# Altium PCB PCB1.PcbDoc (part 2 of 3) (continued)
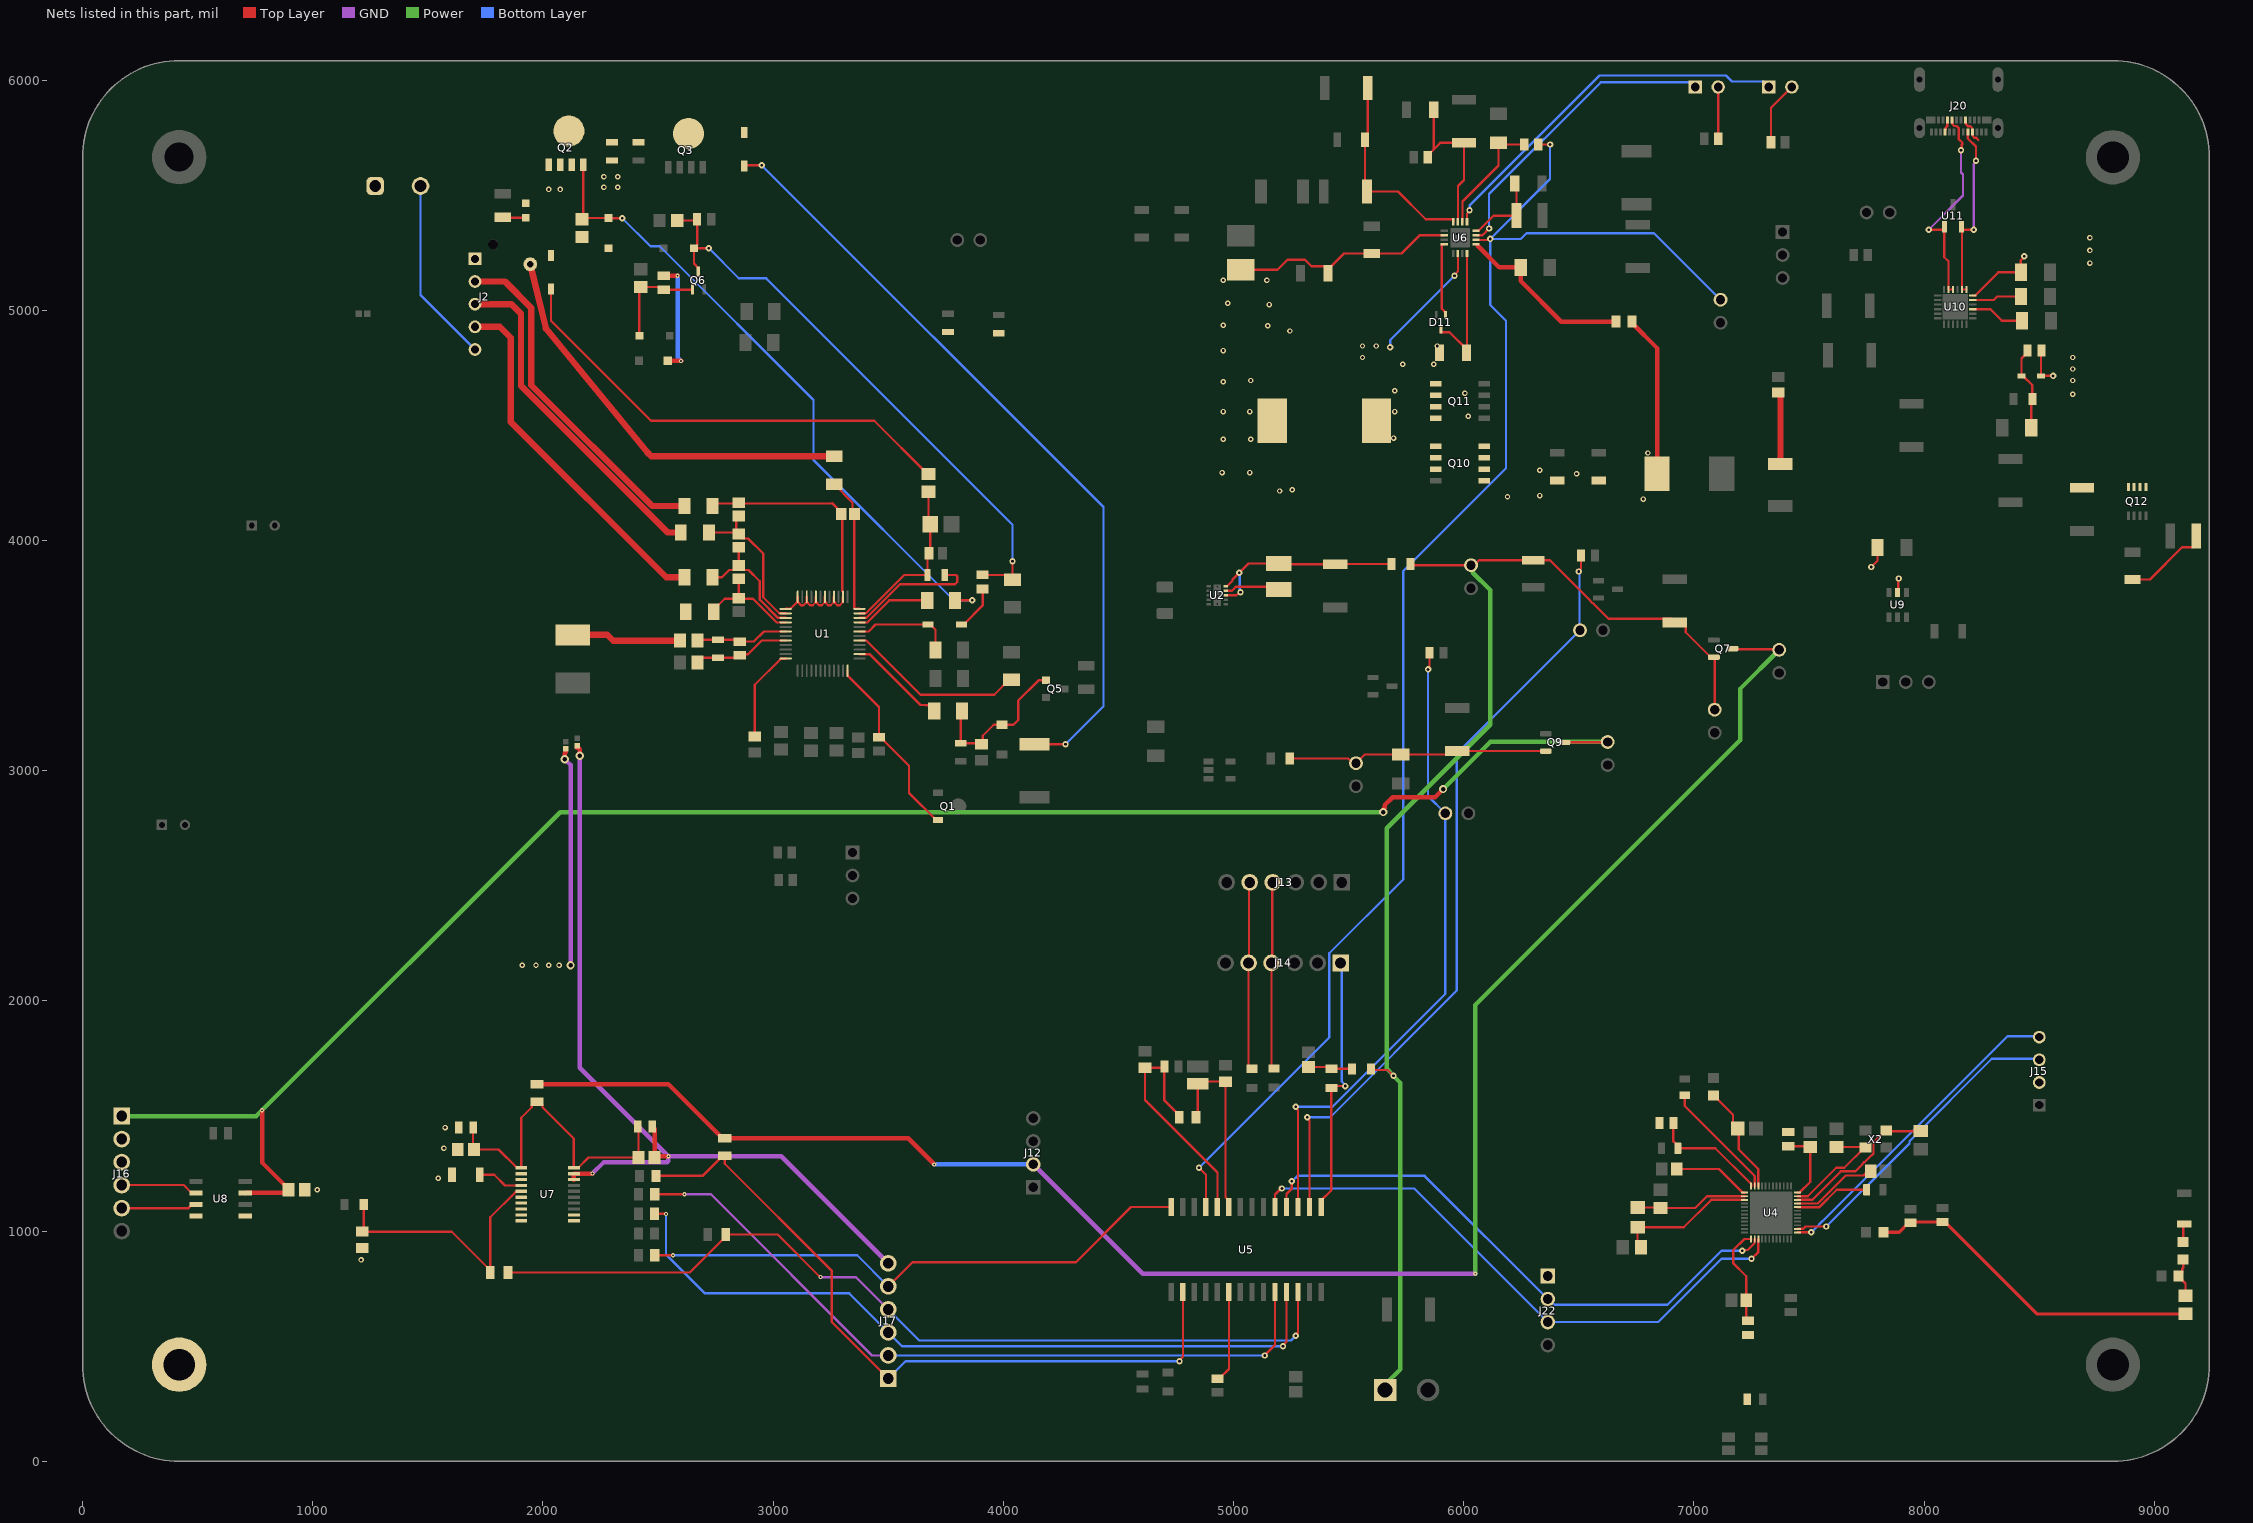
[diagram p4: the nets of this part, all layers, seen from the top]
## Part data (continued)
R63: library part CMP-00030-39744854-1, "WSL20101L000FEA18 Res Metal Strip 2010 0.001 Ohm 1% 1W ±275ppm/C Sulfur Resistant Pad SMD Automotive T/R", Case Code (Imperial)=2010, Case Code (Metric)=5025, Max Operating Temperature=170°C, Max Power Dissipation=1W, Min Operating Temperature=-65°C, Power Rating=500mW, Resistance=1mΩ, Temperature Coefficient=275ppm/°C, Tolerance=1%, Case/Package=2010, Composition="Metal Element, Metal Strip", Contact Plating=Tin, Depth=2.54mm, Features="Moisture Resistant", Height=635µm, Lead Free="Lead Free", Length=5.08mm, Mount="Surface Mount", NexarPartId=39744854, Number of Pins=2010, Number of Terminations=2, Packaging="Cut Tape", Radiation Hardening=No, REACH SVHC=Unknown, RoHS=Compliant, Schedule B="8533210045, 8533210045", Termination=SMD/SMT, Width=2.54mm
R64: library part RMCF2010FT140K, Manufacturer Name="Stackpole Electronics Inc", Supplier Part Number 1=738-RMCF2010FT140KCT-ND, Manufacturer Part Number=RMCF2010FT140K, OriginalSymbolOrigin=(-20000,10000), Part Number=RMCF2010FT140K, Part Reference=R20, PCB Footprint=RESC5025X70N, Supplier 1=DigiKey
R65 R85: library part RC1210JR-07100RL, "100 Ohms Â±5% 0.5W, 1/2W Chip Resistor 1210 (3225 Metric) Moisture Resistant Thick Film", Package="3126 Yageo", Check_prices=https://www.snapeda.com/parts/RC1210JR-07100RL/Yageo/view-part/?ref=eda, MF=Yageo, MP=RC1210JR-07100RL, SnapEDA_Link=https://www.snapeda.com/parts/RC1210JR-07100RL/Yageo/view-part/?ref=snap, Supplier 1=Avnet, Supplier Part Number 1=RC1210JR-07100RL
R68: library part CMP-1018-00781-2, "RES Thick Film, 261kΩ, 1%, 1W, 100ppm/°C, 2512", Case Code (Imperial)=2512, Case Code (Metric)=6432, Max Power Dissipation=1W, Package Quantity=2000, Resistance=261kR, Temperature Coefficient=100ppm/°C, Tolerance=1%, Voltage Rating (DC)=500V, Case/Package=2512, Composition="Thick Film", Features="Automotive AEC-Q200", Height=0.028inch, Lead Free="Lead Free", Length=0.248inch, Mount="Surface Mount", Number of Terminations=2, Packaging="Tape and Reel", Power Rating=1W, Width=0.124inch
R69: library part RC2010FK-07560KL, Manufacturer Name=Yageo, Supplier Part Number 1=13-RC2010FK-07560KLCT-ND, Manufacturer Part Number=RC2010FK-07560KL, OriginalSymbolOrigin=(-20000,10000), Part Number=RC2010FK-07560KL, Part Reference=R23, PCB Footprint=RESC5025X65N, Supplier 1=DigiKey
R72: library part CMP-03412-037656-1, "RES SMD 820 OHM 1% 1/8W 0805", Manufacturer=Yageo, Manufacturer Part Number=AC0805FR-07820RL, Package=AC0805, Power Rating=1/8W, Temperature="-55°C to +155°C", Temperature Range High=+155°C, Temperature Range Low=-55°C, Tolerance=0.01, Voltage Rating=150V, Automotive=Yes, Automotive Grade="Grade 0", Category=Res, ComponentLink2Description=Datasheet, ComponentLink2URL=http://www.yageo.com/documents/recent/PYu-AC_51_RoHS_L_6.pdf, Composition="Thick Film", Device Class L1="Passive Components", Device Class L2=Resistors, Device Class L3="Chip SMD Resistors", Digikey Description="RES SMD 820 OHM 1% 1/8W 0805", Footprint Url=http://www.yageo.com/exep/pages/download/literatures/PYu-R_Mount_10.pdf, Height=0.6mm, Ipc Land Pattern Name=RESC200125X50, Lead Free=Yes, Mouser Description="Thick Film Resistors - SMD 1/8W 820ohm 1% AEC-Q200", Octopart=https://octopart.com/ac0805fr-07820rl-yageo-26041182, Resistance=820Ω, RoHS=TRUE, Series=AC
R76 R82: library part CMP-00030-108211984-1, "RCC08050000Z0EA Res Thick Film 0805 0 Ohm Conformal Coated Pad SMD Automotive AEC-Q200 T/R", Case/Package=0805, Max Operating Temperature=155°C, Min Operating Temperature=-55°C, Power Rating=250mW, Voltage Rating=200V, Composition="Thick Film", Height=500µm, NexarPartId=108211984, Resistance=0Ω
R78 R83 R90 R91: library part RC2010FK-07100KL, Manufacturer Name=Yageo, Manufacturer Part Number=RC2010FK-07100KL, OriginalSymbolOrigin=(-20000,10000), Part Number=RC2010FK-07100KL, Part Reference=R54, PCB Footprint=RESC5025X65N, Supplier 1=Newark, Supplier Part Number 1=RC2010FK-07100KL
R80: library part CMP-04015-026884-1, "442Ω ±0.1% 0.125W, 1/8W Chip Resistor 0805 (2012 Metric) Moisture Resistant Thin Film"
R86: library part RC2010FK-071KL, Manufacturer Name=Yageo, Supplier Part Number 1=YAG3379CT-ND, Manufacturer Part Number=RC2010FK-071KL, OriginalSymbolOrigin=(-20000,10000), Part Number=RC2010FK-071KL, Part Reference=R51, PCB Footprint=RESC5025X65N, Supplier 1=DigiKey
R87: library part RC2010FK-0722KL, Package=None, Supplier Part Number 1=5022018, Availability=Unavailable, MP=RC2010FK-0722KL, Price=None, Supplier 1="Future Electronics"
RT1 RT2: library part CMP-2000-05824-2, "Thermistor NTC 10KOhm 1% 2-Pin", Max Operating Temperature=110°C, Min Operating Temperature=-50°C, Resistance=10kR, Tolerance=1%, Height=2.4mm, Lead Pitch=2.54mm, Length=17mm, Number of Pins=2, Packaging=Bulk, RoHS Compliant=Yes, Series=AT, Termination=Radial, Width=3.7mm
RT3: library part CMP-06022-000215-2, "NTC Thermistor for Temperature Sensor, Automotive, 0402, 10kΩ, 1%, 0.1mA, 5V"
S1: library part CMP-05618-000007-1, "SWITCH TACTILE SPST-NO 0.05A 12V", Contact Current Rating=50mA, Contact Resistance=500mΩ, Manufacturer=Panasonic, Operating Force=2.2N, Temperature="-20°C to +70°C", Temperature Range High=+70°C, Temperature Range Low=-20°C, Voltage Rating Dc=12V, Automotive=No, Category=Switch, ComponentLink2Description=Datasheet, ComponentLink2URL=https://industrial.panasonic.com/cdbs/www-data/pdf/ATK0000/ATK0000C378.pdf, Device Class L1=Electromechanical, Device Class L2=Switches, Device Class L3="Tactile Switches", Digikey Description="SWITCH TACTILE SPST-NO 0.05A 12V", Electromechanical Life=100000Cycles, Height=1.55mm, Lead Free=Yes, Manufacturer Part Number=EVQ-P7A01P, Mount="Surface Mount", Mouser Description="SWITCH TACTILE SPST-NO 0.05A 12V", Octopart=https://octopart.com/evq-p7a01p-panasonic-29917075, Package=EVQ-P7A01P, RoHS=TRUE, Throw Configuration=SPST-NO
S2: "Switch Slide ON OFF SPST Side Slide 4A 250VAC 125VDC PC Pins Thru-Hole Bulk", Package=None, Check_prices=https://www.snapeda.com/parts/L101011ML04Q/C%2526K/view-part/?ref=eda, MF=C&K, MP=L101011ML04Q, SnapEDA_Link=https://www.snapeda.com/parts/L101011ML04Q/C%2526K/view-part/?ref=snap
U1: library part CMP-04911-000083-1, "3-SERIES TO 10-SERIES MULTICELL"
U2: "28V, 0.5A Step-Down Converter with SNOOZE Mode 10-WSON -40 to 85", Manufacturer_Name="Texas Instruments", Copyright="Copyright (C) 2026 Ultra Librarian. All rights reserved.", Manufacturer_Part_Number=TPS62177DQCR, RefDes=RefDes, Supplier 1="Arrow Electronics", Supplier Part Number 1=TPS62177DQCR, Type=TYPE
U3: library part CMP-0136-00706-1, "150 mA, 28V LDO Regulator With Shutdown, 5-Pin SOT-23, Industrial Temperature, Tape and Reel", Code_IPC=SOT23-5, DatasheetVersion="revB, Nov-2009", PackageDescription="5-Lead Plastic Small Outline Transistor (OT) [SOT-23]", PackageReference=SOT-23-OT5, PackageVersion="revBB, Aug-2009"
U4: "Description", Manufacturer_Name="Nordic Semiconductor", Supplier Part Number 1=4823-NRF52832-QFAA-R7CT-ND, Copyright="Copyright (C) 2025 Ultra Librarian. All rights reserved.", Manufacturer_Part_Number=NRF52832-QFAA-R7, RefDes=RefDes, Supplier 1=DigiKey, Type=Type
U5: library part CMP-00252-82310923-1, "PIC32MX274F256BT-I/SO MCU 32-bit MIPS32 M4K RISC 256KB Flash 2.5V/3.3V 28-Pin SOIC W T/R", Ambient Temperature Range High=85°C, Frequency=72MHz, Max Junction Temperature (Tj)=125°C, Max Supply Voltage=3.6V, Min Operating Temperature=-40°C, Min Supply Voltage=2.5V, Data Bus Width=32b, Height=2.65mm, Interface="I2C, I2S, IrDA, LIN, Parallel, SPI, UART, USB", Lifecycle Status=Production, Max Operating Temperature=85°C, Memory Size=256kB, Memory Type=FLASH, NexarPartId=82310923, Number of A/D Converters=1, Number of ADC Channels=9, Number of I2C Channels=2, Number of I/Os=17, Number of PWM Channels=5, Number of SPI Channels=2, Number of Timers/Counters=5, Number of UART Channels=2, Number of USB Channels=1, RAM Size=64kB, RoHS=Non-Compliant, Schedule B="8542310000, 8542310000"
U6: library part BQ24600RVAR, "Standalone 1-6 cell Buck battery charge controller 16-VQFN -40 to 85", Manufacturer Name="Texas Instruments", Supplier Part Number 1=296-47740-1-ND, Copyright="Copyright (C) 2025 Ultra Librarian. All rights reserved.", Datasheet=https://www.ti.com/lit/gpn/bq24600, Manufacturer Part Number=BQ24600RVAR, Manufacturer_Name="Texas Instruments", Manufacturer_Part_Number=BQ24600RVAR, Part Number=BQ24600RVAR, Part Reference=U3, PCB Footprint=RVA16_2P14X2P14, Supplier 1=DigiKey
U7: library part MCP3562RT-EST, "Description", Manufacturer_Name=Microchip, Supplier Part Number 1=150-MCP3562RT-E/STCT-ND, Copyright="Copyright (C) 2025 Ultra Librarian. All rights reserved.", Manufacturer_Part_Number=MCP3562RT-E/ST, RefDes=RefDes, Supplier 1=DigiKey, Type=Type
U8: "Low power (350-ÂµA), precision instrumentation amp with Â±60-V overvoltage protection (gain pins 1, 8) 8-SOIC -40 to 125", Manufacturer_Name="Texas Instruments", Supplier Part Number 1=296-INA818ID-ND, Copyright="Copyright (C) 2025 Ultra Librarian. All rights reserved.", Manufacturer_Part_Number=INA818ID, RefDes=RefDes, Supplier 1=DigiKey, Type=Type
U9: "2.9V to 22V 50mA to 2A Configurable Current-Limit Switch in a TSOT23-6 Package", Manufacturer_Name="Monolithic Power Systems", Supplier Part Number 1=1589-MP5035GJ-PCT-ND, Copyright="Copyright (C) 2026 Ultra Librarian. All rights reserved.", Datasheet=https://www.monolithicpower.com/en/documentview/productdocument/index/version/2/document_type/Datasheet/lang/en/sku/MP5035GJ, Manufacturer_Part_Number=MP5035GJ-P, RefDes=RefDes, Supplier 1=DigiKey, Type=Type
U10: library part STUSB4500LQTR, "Standalone USB Type-C port controller for power sinking devices", Manufacturer Name=STMicroelectronics, Copyright="Copyright (C) 2025 Ultra Librarian. All rights reserved.", Datasheet=https://www.st.com/resource/en/datasheet/stusb4500l.pdf, Manufacturer Part Number=STUSB4500LQTR, Manufacturer_Name=STMicroelectronics, Manufacturer_Part_Number=STUSB4500LQTR, Part Number=STUSB4500LQTR, Part Reference=U9, PCB Footprint=QFN24_STUSB4500_STM, Supplier 1=Avnet, Supplier Part Number 1=STUSB4500QTR
U11: "- Clamp - Ipp Tvs Diode Surface Mount SOT-23-3", Package="SOT-23-3 STMicroelectronics", Check_prices=https://www.snapeda.com/parts/ESDA25L/STMicroelectronics/view-part/?ref=eda, MF=STMicroelectronics, MP=ESDA25L, OriginalSymbolOrigin=(-40000,30000), PCB Footprint=SOT-23-3L, SnapEDA_Link=https://www.snapeda.com/parts/ESDA25L/STMicroelectronics/view-part/?ref=snap, Supplier 1=Avnet, Supplier Part Number 1=ESDA25L
X1: library part "FC-135 32.7680KA-A3", "SMD Crystal 32.768KHz-12.5pF-20ppm-2P-3.2*1.5*0.9mm", Manufacturer_Name=Epson, Copyright="Copyright (C) 2025 Ultra Librarian. All rights reserved.", Manufacturer_Part_Number="FC-135 32.7680KA-A3", Supplier 1="Arrow Electronics", Supplier Part Number 1="FC-135 32.7680KA-A3"
X2: "No Description Available", Manufacturer_Name="ECS International", Copyright="Copyright (C) 2026 Ultra Librarian. All rights reserved.", Manufacturer_Part_Number=ECS-320-8-33B-7KM-TR, RefDes=RefDes, Supplier 1=Avnet, Supplier Part Number 1=ECS-320-8-33B-7KM-TR, Type=Type
X3: library part NX3225GD-8MHZ-STD-CRA-3, "Description", Manufacturer_Name=NDK, Copyright="Copyright (C) 2025 Ultra Librarian. All rights reserved.", Manufacturer_Part_Number=NX3225GD-8MHZ-STD-CRA-3

## Free pads (board coordinates)
  round 236.22 hole 125.98: 6(420,5665)
  round 236.22 hole 137.8: 7(8820,5664.3) 8(8820,420) 9(420,420)
  round 60 hole 30: 10(1945,5200)

## Via types
v1: diameter 23.62, hole 11.81, Top Layer to Bottom Layer, 351 vias
v2: diameter 27.56, hole 11.81, Top Layer to Bottom Layer, 91 vias
v3: diameter 18, hole 8, Top Layer to Bottom Layer, 11 vias
v4: diameter 35.43, hole 19.68, Top Layer to Bottom Layer, 7 vias

## Nets (pads, with @x,y where several pads share a name; then routed paths per layer and width w, separated by ;. In a path a pad name is that pad's centre, name@x,y a point inside that pad or via, vN(x,y) a via of type N, cw(c..) or ccw(c..) an arc to the next point about the centre after c; other vN are vias at no path point)
1N: J1.2 J2.5 R4.1 R14.1 R17.1 | length 1284.1
  Top Layer w10: R17.1@2130,3589.25 R17.1@2130.75,3590
  Top Layer w27.56: R17.1@2130.75,3590 2280,3590 2305,3565 R14.1@2595,3565
  Bottom Layer w10: J1.2@1468.43,5540.16 1468.43,5066.3 J2.5@1705,4829.72
1P: J2.4 R5.1 | length 1574.5
  Top Layer w27.56: J2.4@1705,4928.15 1811.85,4928.15 1860,4880 1860,4515 2535,3840 R5.1@2615,3840
2P: J2.3 R6.1 | length 1487.9
  Top Layer w27.56: J2.3@1705,5026.57 1863.43,5026.57 1905,4985 1905,4672.32 2542.32,4035 R6.1@2598.98,4035
3.3V: J8.1 J12.2 Q7.3 R62.2 R67.2 | length 7877.3
  Top Layer w10: Q7.3@7167.44,3530.2 7170.04,3527.6 7367.4,3527.6 J8.1@7370,3525
  Top Layer w19.68: R62.2@1975,1638.39 2545.16,1638.39 2780.16,1403.39 R67.2@2790,1403.39 3586.61,1403.39 v3(3700,1290)
  GND w19.68: J12.2@4130,1290 4605,815 v3(6049.61,815)
  Power w19.68: v3(6049.61,815) 6049.61,1982.3 7200,3132.69 7200,3355 J8.1@7370,3525
  Bottom Layer w19.68: v3(3700,1290) J12.2@4130,1290
"3.3V Control": J5.1 R20.2 U5.2 | length 3389.5
  Top Layer w10: v2(5320,1495) 5320,1490.36 5330,1480.36 U5.2@5330,1105.04 ; v2(6500,3865) 6500,3869.75 6509.45,3879.2 R20.2@6509.45,3935
  Bottom Layer w10: v2(5320,1495) 5420,1495 5970,2045 5970,3075 J5.1@6505,3610 6502.5,3612.5 6502.5,3862.5 v2(6500,3865)
"3.3V for PIC": C14.2 J4.1 J7.1 J15.2 J22.1 Q7.2 R16.2 R22.1 R40.2 R43.2 R49.1 R50.2 R51.1 S2.1 | length 5724.7
  Top Layer w10: R40.2@5597.68,1705 5602.68,1700 5670,1700 v2(5695,1675) ; R16.2@5768.07,3897.6 5773.07,3892.6 J7.1@6031.73,3892.6 6045.26,3892.6 6066.62,3913.96 6374.86,3913.96 6550.79,3738.03 6550.79,3735.97 6558.38,3728.39 6560.44,3728.39 6628.86,3659.96 6900.67,3659.96 R22.1@6916.73,3643.9 6948.23,3643.9 6964.29,3627.83 6964.29,3601.26 7072.76,3492.8 Q7.2@7086.73,3492.8 7090,3489.53 J4.1@7090,3265 ; R51.1@7231.54,270 R51.1@7231.54,278.86
  Power w10: S2.1@5657.99,310 S2.1@5657.99,333.58
  Power w19.68: S2.1@5657.99,333.58 5725,400.59 5725,1643.75 5695,1673.75 5695,1676.25 5665,1706.25 5665,2750 6115,3200 6115,3785 6039.45,3860.55 6039.45,3884.88 J7.1@6031.73,3892.6
3P: J2.2 R8.1 | length 1510.1
  Top Layer w27.56: J2.2@1705,5125 1835,5125 1950,5010 1950,4675 2475,4150 R8.1@2615,4150
4P: C15.1 D1.1 D3.2 D6.1 J1.1 J2.1 pad.10 Q2.1 Q2.2 Q2.3 R11.1 R26.2 | length 1801.2
  Top Layer w27.56: pad.10@1945,5200 2012.68,4920.75 2454.25,4382.17 2470.39,4366.02 R11.1@3265,4366.02
  other v1: 2025,5525 2075,5525 2265,5535 2325,5535 2265,5580 2325,5580
10V: C60.2 J11.1 J16.1 Q9.3 U8.7 | length 7917.6
  Top Layer w10: Q9.3@6437.09,3122.6 6438.29,3123.8 6623.8,3123.8 J11.1@6625,3125
  Top Layer w19.68: U8.7@707.25,1165 708.41,1166.16 881.16,1166.16 C60.2@895,1180 895,1182.95 780,1297.95 v3(780,1525) ; v4(5650,2820) 5653.01,2823.01 5653.01,2834.15 5656.9,2838.03 5656.9,2850.85 5691.05,2885 5875,2885 v4(5910,2920)
  Power w19.68: J16.1@170,1500 755,1500 2075,2820 v4(5650,2820) ; v4(5910,2920) 6115,3125 J11.1@6625,3125
"10V Control": J9.1 R28.1 U5.3 | length 2808.3
  Top Layer w10: v2(5270,1540) 5270,1535.36 5280,1525.36 U5.3@5280,1105.04 ; v2(5845,3440) 5845,3444.75 5851.18,3450.93 R28.1@5851.18,3512.6
  Bottom Layer w10: v2(5270,1540) 5430,1540 5920,2030 J9.1@5920,2815 5845,2890 v2(5845,3440)
"50 Ohms": C37.2 C38.2 L4.2 R53.1 | length 1487.8
  Top Layer w10: C37.2@7932.13,1035.94 C37.2@7940,1035.94 C37.2@7944.06,1040
  Top Layer w13.5: L4.2@7822.4,995 7891.18,995 C37.2@7932.13,1035.94 ; C37.2@7944.06,1040 R53.1@8080,1040 ; R53.1@8088.86,1040 8488.23,640.63 C38.2@9135,640.63
"+ Output": J16.5 U8.3 | length 329
  Top Layer w10: J16.5@170,1100 460,1100 475,1115 U8.3@492.75,1115
"- Output": J16.4 U8.2 | length 337.2
  Top Layer w10: J16.4@170,1200 440,1200 475,1165 U8.2@492.75,1165
"BLE - RX": J22.2 U4.14 U5.4 | length 2502.2
  Top Layer w10: U5.4@5230,1105.04 5230,1161.86 5253.28,1185.15 v2(5253.28,1216.72) ; v2(7210,915) 7213.36,918.36 7233.99,918.36 7263.06,947.42 7263.06,955.82 7264.04,956.8 U4.14@7264.04,965.72
  Bottom Layer w10: v2(5253.28,1216.72) 5254.49,1216.72 5277.77,1240 5830,1240 J22.2@6365,705 6370.36,705 6395.36,680 6885,680 7120,915 v2(7210,915)
"BLE - TX": J22.3 U4.15 U5.5 | length 2587.2
  Top Layer w10: U5.5@5180,1105.04 5180,1159.41 5205.59,1185 v2(5210,1185) ; v2(7250,880) 7279.79,909.79 U4.15@7279.79,965.72
  Bottom Layer w10: v2(5210,1185) 5785,1185 J22.3@6365,605 6845,605 7120,880 v2(7250,880)
CD: D2.1 Q2.5-6-7-8 Q3.5-6-7-8
"Charging Disable": J18.1 R44.1 U5.11 U6.2 | length 6560.6
  Top Layer w10: v2(4850,1275) 4880,1245 U5.11@4880,1105.04 ; U6.2@6053.4,5305.66 6105.91,5305.66 6110.25,5310 v2(6115,5310) ; R44.1@6323.91,5720.03 v2(6375,5720)
  Bottom Layer w10: v2(4850,1275) 5415.78,1840.78 5415.78,2206.61 5736.81,2527.64 5736.81,3867.66 6183.08,4313.92 6183.08,4954.95 6115,5023.03 v2(6115,5310) ; v2(6375,5720) 6375,5570 v2(6115,5310) ; J18.1@7115.6,5045.97 6826.57,5335 6272.52,5335 6247.52,5310 v2(6115,5310)
CHG: R31.1 U1.45 | length 334.1
  Top Layer w10: U1.45@3375.45,3644.21 3409.21,3644.21 3505,3740 R31.1@3669.92,3740
"DEBUG - RXD": J13.4 J14.4 R46.1 | length 814.9
  Top Layer w10: J13.4@5170,2515 5167.5,2512.5 5167.5,2167.5 J14.4@5165,2165 5165,1716.34 R46.1@5175,1706.34
"DEBUG - TXD": J13.5 J14.5 R48.1 | length 819.6
  Top Layer w10: J13.5@5070,2515 5067.5,2512.5 5067.5,2167.5 J14.5@5065,2165 5065,1717.72 5077.72,1705 R48.1@5080,1705
DSG: D9.2 R35.1 U1.43 | length 453.5
  Top Layer w10: U1.43@3375.45,3604.84 3414.84,3604.84 3445,3635 D9.2@3672.17,3635 3682.01,3635 3704.92,3612.09 R35.1@3704.92,3510
Fuse: R21.2 U1.38 | length 438.4
  Top Layer w10: U1.38@3375.45,3506.42 3418.58,3506.42 3640,3285 3664.8,3285 3665.12,3284.69 3678.22,3284.69 3699.92,3262.99 R21.2@3699.92,3249.89
GNDA: C45.2 C51.1 C58.1 C59.1 C60.1 J16.2 J16.3 NT1.1 pad.9 U7.2 U7.3 U7.6 U7.7 U7.8 U7.9 U7.10 U7.11 U7.12 U8.4 U8.5 | length 937.4
  Top Layer w19.68: v4(2095,3050) 2095,3075 2100,3080
  GND w19.68: v4(2095,3050) 2120,3025 v4(2120,2155)
  other v1: 1210,875 1020,1180 1545,1230 1570,1360 1575,1450 1910,2155 1970,2155 2025,2155 2070,2155
GNDD: C46.1 C52.2 J17.6 NT2.1 U7.18 U7.19 | length 3769.1
  Top Layer w10: U7.19@2134.25,1249.57 U7.19@2134.47,1249.78 ; v3@2214.78,1249.78 v3(2215,1250) ; C52.2@2475,1455 C52.2@2485,1445 ; C46.1@2485,1320 C46.1@2490,1325
  Top Layer w19.68: U7.18@2134.25,1223.98 U7.19@2134.25,1249.57 ; U7.19@2134.47,1249.78 v3@2214.78,1249.78 ; NT2.1@2147.44,3100 2154.14,3100 2160,3094.14 v4(2160,3065) ; C46.1@2485,1320 C52.2@2485,1445 ; C46.1@2490,1325 v3(2545,1325)
  GND w10: 2539.14,1300 2543.47,1304.33
  GND w19.68: v4(2160,3065) 2160,1710 v3(2545,1325) 3035,1325 J17.6@3500,860 ; v3(2215,1250) 2265,1300 2539.14,1300 ; 2543.47,1304.33 v3@2543.47,1323.47
LD: R38.1 U1.41 | length 784
  Top Layer w10: U1.41@3375.45,3565.47 3404.53,3565.47 3640,3330 3960.2,3330 4025.11,3394.92 R38.1@4035,3394.92
MCLR: J14.1 R42.1 U5.1 | length 1142.4
  Top Layer w10: U5.1@5380,1105.04 5380,1132.6 5425,1177.6 R42.1@5425,1622.32 5432.68,1630 v2(5485,1630)
  Bottom Layer w10: J14.1@5465,2165 5470,2160 5470,1649.75 5485,1634.75 v2(5485,1630)
"MCP3562 *CS": J17.5 R77.2 U5.14 | length 2443
  Top Layer w10: R77.2@2485.87,895 v3(2565,895) ; J17.5@3500,760 3605,865 4315,865 4555.04,1105.04 U5.14@4730,1105.04
  Bottom Layer w10: v3(2565,895) 3365,895 J17.5@3500,760
"MCP3562 *IRQ": J17.1 R67.1 R71.2 U5.16 | length 3198.4
  Top Layer w10: R71.2@2490.43,1240 2693.54,1240 2780.16,1326.61 R67.1@2790,1326.61 2790,1292.91 3253.96,828.95 3253.96,606.04 J17.1@3500,360 ; v2(4765,435) 4765,439.75 4780,454.75 U5.16@4780,734.96
  Bottom Layer w10: J17.1@3500,360 3575,435 v2(4765,435)
"MCP3562 SCK": J17.4 R76.2 R82.1 U5.26 | length 3888.7
  Top Layer w10: R82.1@1848.39,820 2638.23,820 2793.39,975.16 R76.2@2793.39,985 3020,985 v3(3205,800) ; v2(5270,545) 5270,549.75 5280,559.75 U5.26@5280,734.96
  GND w10: v3(3205,800) 3360,800 J17.4@3500,660
  Bottom Layer w10: J17.4@3500,660 3635,525 5250,525 v2(5270,545)
"MCP3562 SDI": J17.3 R74.2 U5.25 | length 3312.5
  Top Layer w10: R74.2@2485.43,1075 v3(2535,1075) ; v2(5215,500) 5215,504.75 5230,519.75 U5.25@5230,734.96
  Bottom Layer w10: v3(2535,1075) 2535,898.13 2703.59,729.54 3330.46,729.54 J17.3@3500,560 3560,500 v2(5215,500)
"MCP3562 SDO": J17.2 R73.2 U5.24 | length 3232.7
  Top Layer w10: R73.2@2485.87,1160 v3(2615,1160) ; v2(5135,460) 5180,505 U5.24@5180,734.96
  GND w10: v3(2615,1160) 2730,1160 3430,460 J17.2@3500,460
  Bottom Layer w10: J17.2@3500,460 v2(5135,460)
NetC1_1: C1.1 C2.1 C3.1 R1.2 U1.47 | length 733.4
  Top Layer w10: U1.47@3375.45,3683.58 3403.58,3683.58 3570,3850 C1.1@3670.2,3850 3670.2,3938.33 C2.1@3676.86,3945 3682.39,3950.53 C3.1@3682.39,4070 3675,4077.39 R1.2@3675,4211.61
NetC1_2: C1.2 U1.46 | length 570.8
  Top Layer w10: U1.46@3375.45,3663.9 3376.27,3664.72 3405.93,3664.72 3551.21,3810 3790,3810 3800,3820 3800,3844.14 3794.14,3850 C1.2@3745,3850
NetC4_2: C4.2 U1.24 | length 406.7
  Top Layer w10: C4.2@2920,3147.95 2920,3373.04 3033.69,3486.73 U1.24@3054.55,3486.73
NetC5_2: C5.2 C6.1 R4.2 U1.16 | length 475
  Top Layer w10: R4.2@2742.05,3690 2742.05,3699.84 2789.63,3747.42 C5.2@2850,3747.42 ; C6.1@2850,3837.58 C5.2@2850,3747.42 ; U1.16@3054.55,3644.21 3015.79,3644.21 2912.58,3747.42 C5.2@2850,3747.42
NetC6_2: C6.2 C8.1 R5.2 U1.15 | length 563.8
  Top Layer w10: R5.2@2737.05,3840 2777.64,3840 2809.31,3871.67 2831.81,3871.67 C6.2@2850,3889.86 ; C8.1@2850,3975 C6.2@2850,3889.86 ; U1.15@3054.55,3663.9 3021.1,3663.9 2941.83,3743.17 2941.83,3823.17 2893.33,3871.67 2868.19,3871.67 C6.2@2850,3889.86
NetC8_2: C8.2 C9.1 R6.2 U1.14 | length 651
  Top Layer w10: R6.2@2721.02,4035 C8.2@2842.29,4035 ; C8.2@2840,4037.29 C9.1@2840,4108.86 ; C8.2@2850,4027.29 2868.19,4009.1 2890.9,4009.1 2956.83,3943.17 2956.83,3753.17 3026.42,3683.58 U1.14@3054.55,3683.58
NetC9_2: C9.2 C10.1 R8.2 U1.2 U1.4 U1.6 U1.8 U1.10 U1.12 U1.13 | length 1497.7
  Top Layer w10: R8.2@2737.05,4150 2748.19,4161.14 2840,4160 3257.36,4161.14 3300,4118.51 3300,4115 3300,3779.9 3303.58,3776.31 U1.2@3303.58,3755.45 3302.77,3754.63 3302.77,3731.77 3289.77,3718.77 3278.02,3718.77 3269.72,3727.08 3269.72,3729.09 3264.21,3734.59 U1.4@3264.21,3755.45 3263.4,3754.63 3263.4,3731.77 3250.4,3718.77 3238.65,3718.77 3230.35,3727.08 3230.35,3729.09 3224.84,3734.59 U1.6@3224.84,3755.45 3224.03,3754.63 3224.03,3731.77 3211.03,3718.77 3199.28,3718.77 3190.97,3727.08 3190.97,3729.09 3185.47,3734.59 U1.8@3185.47,3755.45 3184.65,3754.63 3184.65,3731.77 3171.66,3718.77 3159.91,3718.77 3151.6,3727.08 3151.6,3729.09 3146.1,3734.59 U1.10@3146.1,3755.45 3145.28,3754.63 3145.28,3731.77 3132.29,3718.77 3120.54,3718.77 3112.23,3727.08 3112.23,3729.09 U1.12@3106.73,3734.59 ; U1.13@3054.55,3703.27 3075.41,3703.27 3105.91,3733.77 U1.12@3106.73,3734.59 ; U1.12@3106.73,3755.45 U1.12@3106.73,3734.59
NetC10_2: C10.2 R11.2 U1.48 | length 598.7
  Top Layer w10: R11.2@3265,4243.98 3345,4163.98 3345,4122.29 3352.29,4115 3352.29,3705.57 3354.59,3703.27 U1.48@3375.45,3703.27
NetC11_2: C11.2 Q1.1 U1.36 | length 820.5
  Top Layer w10: U1.36@3323.27,3434.55 3323.27,3413.69 3460,3276.96 C11.2@3460,3144.53 3467.87,3144.53 3590.51,3021.89 3590.51,2903.66 3708.23,2785.94 Q1.1@3716.1,2785.94
NetC12_1: C12.1 C13.1 R14.2 U1.18 | length 406.3
  Top Layer w10: R14.2@2671.77,3565 2676.14,3569.37 C13.1@2760,3569.37 2846.54,3569.37 C12.1@2855,3560.91 2915.91,3560.91 2959.84,3604.84 U1.18@3054.55,3604.84
NetC12_2: C12.2 C13.2 R15.2 U1.20 | length 422.3
  Top Layer w10: R15.2@2671.77,3470 2692.4,3490.63 2843.78,3490.63 2858.87,3505.72 2890.72,3505.72 2950.47,3565.47 U1.20@3054.55,3565.47
NetC15_2: C15.2 C16.1
NetC18_2: C18.2 C20.1
NetC19_1: C19.1 D4.1 Q5.1 R21.1 R23.2 | length 698.5
  Top Layer w10: R21.1@3820.08,3260 3815,3254.92 C19.1@3815,3119.37 3900.08,3119.37 R23.2@3905,3114.45 3910.91,3120.35 3910.91,3151.56 3958.72,3199.37 D4.1@3995,3199.37 4001.1,3199.37 4044.14,3199.37 4064.94,3220.16 4064.94,3304.94 4152.4,3392.4 Q5.1@4185.63,3392.4
NetC22_1: C22.1 J10.1 Q9.2 R30.2 R34.1 | length 1142
  Top Layer w10: R30.2@5244.41,3052.6 5498.2,3052.6 5518.2,3032.6 J10.1@5531.73,3032.6 5569.72,3070.59 C22.1@5726.73,3070.59 5957.13,3070.59 R34.1@5971.73,3085.2 Q9.2@6356.38,3085.2
NetC24_2: C24.2 R40.1 R42.2 | length 193.1
  Top Layer w10: C24.2@5325,1712.52 5417.48,1712.52 R42.2@5425,1705 R40.1@5515,1705
NetC25_2: C25.2 L3.2 U4.46 | length 476.3
  Top Layer w10: L3.2@7085,1590 7086.97,1590 7103.62,1573.35 7103.62,1571.38 7169.61,1505.39 7169.61,1469.53 7194.13,1445 7194.13,1354.8 7279.79,1269.15 U4.46@7279.79,1195.54
NetC26_2: C26.2 R43.1 U4.48 | length 509.7
  Top Layer w10: R43.1@6910.51,1470 6910.51,1390.16 6930.04,1370.63 C26.2@6930.04,1360 7092.75,1360 7248.29,1204.46 U4.48@7248.29,1195.54
NetC27_2: C27.2 U4.2 X1.1 | length 487.1
  Top Layer w10: X1.1@6755,1103 6852.63,1103 C27.2@6855,1100.63 7005.63,1100.63 7056.5,1151.5 U4.2@7220,1151.5
NetC28_2: C28.2 U4.3 X1.2 | length 607.1
  Top Layer w10: C28.2@6769.37,930 6755,944.37 X1.2@6755,1017 6955.89,1017 7074.63,1135.75 U4.3@7220,1135.75
NetC29_1: C29.1 U5.20 | length 400.8
  Top Layer w10: C29.1@4930,359.53 4937.87,359.53 4980,401.65 U5.20@4980,734.96
NetC30_2: C30.2 U4.1 | length 337.6
  Top Layer w10: C30.2@6924.96,1270 7108.32,1270 7211.08,1167.24 U4.1@7220,1167.24
NetC31_2: C31.2 R49.2 U4.13 | length 431.6
  Top Layer w10: R49.2@7235,610.51 7227.48,618.03 C31.2@7227.48,700 7227.48,803.99 7170,861.47 7170,916.57 7219.16,965.72 U4.13@7248.29,965.72
NetC32_2: C32.2 U4.33 | length 369.5
  Top Layer w10: U4.33@7449.81,1120 7537.59,1120 7659.05,1241.46 7736.93,1241.46 7757.52,1262.05 C32.2@7757.52,1265
NetC33_2: C33.2 R50.1 U4.36 | length 322.5
  Top Layer w10: R50.1@7410,1368.98 7501.02,1368.98 C33.2@7505,1365 7505,1213.51 7458.73,1167.24 U4.36@7449.81,1167.24
NetC34_2: C34.2 U4.32 | length 331.5
  Top Layer w10: U4.32@7449.81,1104.25 7544.66,1104.25 7620.41,1180 C34.2@7749.96,1180
NetC35_2: C35.2 U4.34 X2.1 | length 691.5
  Top Layer w10: U4.34@7449.81,1135.75 7513.87,1135.75 7638.13,1260 7701.21,1260 7731.93,1290.72 7731.93,1292.69 7737.79,1298.54 7739.75,1298.54 7772.31,1331.1 7774.37,1331.1 7780.22,1336.96 7780.22,1386.35 7831.28,1437.4 7834.31,1434.37 C35.2@7985,1434.37
NetC36_2: C36.2 U4.35 X2.3 | length 508.3
  Top Layer w10: U4.35@7449.81,1151.5 7494.18,1151.5 7617.68,1275 7653.13,1275 7740.72,1362.6 X2.3@7744.72,1362.6 7741.69,1365.63 C36.2@7620,1365.63
NetC38_1: C38.1 L5.1 L7.1 | length 177.1
  Top Layer w10: L5.1@9104.8,803.03 9135,772.83 C38.1@9135,719.37 ; L5.1@9104.8,805 9121.46,821.65 9121.46,837.4 9125,840.94 L7.1@9125,877.6
NetC39_2: C39.2 R55.2 U5.9 X3.2 | length 823.2
  Top Layer w10: R55.2@4836.48,1495 4845,1503.52 X3.2@4845,1640 4854.57,1649.57 C39.2@4965,1649.57 4965,1147.6 4980,1132.6 U5.9@4980,1105.04
NetC40_2: C40.2 R55.1 R57.2 U5.10 | length 1068.5
  Top Layer w10: R55.1@4763.52,1495 4763.52,1503.85 4699.49,1567.88 R57.2@4699.49,1715 4694.49,1710 C40.2@4615,1710 4615,1570 4930,1255 U5.10@4930,1105.04
NetC41_2: C41.2 C42.2 D10.1 Q10.5 Q10.6 Q10.7 Q10.8 R59.1 | length 707
  Top Layer w10: C41.2@6404.71,4260.03 C41.2@6405.6,4260.93 ; R59.1@6731.47,4944.08 R59.1@6731.47,4950.97
  Top Layer w19.68: R59.1@6731.47,4944.08 6839.51,4836.04 D10.1@6839.51,4290
  other v1: 6780,4180 6190,4190 6330,4195 6490,4290 6330,4305 6800,4380
NetC43_2: C43.2 R58.1 | length 314.7
  Top Layer w10: C43.2@7365.6,4641.99 C43.2@7375.6,4631.99
  Top Layer w27.56: R58.1@7375.6,4331.47 C43.2@7375.6,4631.99
NetC44_1: C44.1 D11.3 U6.16 | length 585.2
  Top Layer w10: D11.3@5900.6,4915.97 5900.6,4905.97 5901.6,4904.97 5938.27,4904.97 C44.1@6014.03,4829.2 ; C44.1@6014.03,4816.62 U6.16@6014.03,5246.6
NetC44_2: C44.2 L6.1 Q10.1 Q10.2 Q10.3 Q11.5 Q11.6 Q11.7 Q11.8 U6.14 | length 528.7
  Top Layer w10: v2(5960,5150) 5960,5154.75 5974.65,5169.41 U6.14@5974.65,5246.6
  Bottom Layer w10: v2(5680,4840) 5680,4870 v2(5960,5150)
  other v1: 5695,4445 6020,4540 5700,4560 6005,4640 5700,4650 5735,4765 5870,4765 5560,4795 5560,4845 5620,4845 5885,4845
NetC45_1: C45.1 C46.2 C51.2 C52.1 R62.1 U7.1 U7.20 | length 1449.9
  Top Layer w10: C51.2@1696.5,1450 1696.5,1358.5 C45.1@1700,1355 1807.16,1355 1887,1275.16 U7.1@1905.75,1275.16 1905.75,1492.36 1951.46,1538.07 1951.46,1547.91 1965.16,1561.61 R62.1@1975,1561.61 1984.84,1561.61 1998.54,1547.91 1998.54,1538.07 2134.25,1402.36 U7.20@2134.25,1275.16 2153,1275.16 2197.84,1320 C46.2@2415,1320 2415,1452.01 C52.1@2412.01,1455
NetC49_2: C49.2 R59.2 U6.1 | length 771.2
  Top Layer w19.68: 6060,5280 6154.03,5185.97 C49.2@6247.61,5185.97 6247.61,5127.39 6424.04,4950.97 R59.2@6660.6,4950.97
NetC50_1: C50.1 C54.1 L6.2 R63.1 U6.10 | length 1012.1
  Top Layer w10: C54.1@5409.66,5160.97 C54.1@5409.66,5176.71 ; U6.10@5915.6,5325.34 5807.42,5325.34 5728.98,5246.91 C50.1@5600.6,5246.91 5479.85,5246.91 C54.1@5409.66,5176.71 ; R63.1@5044.19,5175.97 5190.77,5175.97 5234.81,5220 5309.82,5220 5338.42,5191.4 5394.97,5191.4 C54.1@5409.66,5176.71 ; R63.1@5044.19,5175.97 R63.1@5030.6,5175.97 R63.1@5044.19,5175.97
  other v1: 5200,4215 5255,4220 4950,4295 5070,4295 4955,4440 5075,4440 4955,4560 5070,4560 4955,4690 5075,4695 4955,4825 5245,4910 5148.52,4932.28 4955,4935 5155,5025 4975,5030 4955,5130 5145,5130
NetC53_2: C53.2 R44.2 U6.6 | length 523.9
  Top Layer w10: U6.6@5994.35,5384.4 5994.35,5472.39 6150.6,5628.64 C53.2@6150.6,5727.97 6158.54,5720.03 R44.2@6262.89,5720.03
NetC55_1: C55.1 R47.2 R61.1 U6.7 | length 713
  Top Layer w10: R47.2@5843.91,5665.03 5843.91,5672.91 5869.66,5698.66 ; C55.1@5869.66,5870.97 5869.66,5698.66 ; U6.7@5974.65,5384.4 5974.65,5539.94 6000.6,5565.89 R61.1@6000.6,5727.26 5898.26,5727.26 5869.66,5698.66
NetC56_1: C56.1 R69.1 R78.2 U6.8 | length 894.9
  Top Layer w10: R78.2@5583,5965.97 5583,5768.09 5570.64,5755.73 C56.1@5570.64,5740.97 5570.64,5524.63 R69.1@5579.3,5515.97 5714.5,5515.97 5835.32,5395.15 5954.45,5395.15 5954.97,5394.63 U6.8@5954.97,5384.4
NetC57_1: C57.1 R65.2 U6.4 | length 346.4
  Top Layer w10: U6.4@6053.4,5345.03 6063.63,5345.03 6129.57,5410.97 R65.2@6229.3,5410.97 6229.3,5543.21 C57.1@6221.55,5550.97
NetC58_2: C58.2 R72.2 R82.2 U7.5 | length 1176.9
  Top Layer w10: R72.2@1221.34,1115 1221.34,1003.78 C58.2@1215,997.44 1604.02,997.44 1771.61,829.84 R82.2@1771.61,820 1771.61,1059.96 1882.45,1170.8 1903.75,1170.8 U7.5@1905.75,1172.8
NetC59_2: C59.2 U7.4 | length 200
  Top Layer w10: C59.2@1725.04,1245 1788.58,1245 1835.19,1198.39 U7.4@1905.75,1198.39
NetC61_2: C61.2 C64.2 D14.2 J20.A4 J20.A9 J20.B4 J20.B8 Q12.5 Q12.6 Q12.7 Q12.8 R83.2 R84.2 U9.5 U10.24 | length 829.8
  Top Layer w10: v2(7770,3885) 7797.01,3912.01 C61.2@7797.01,3970 ; U9.5@7885,3773.25 7887.5,3775.75 7887.5,3832.5 v2(7890,3835) ; J20.A9@8094.13,5786.02 8094.13,5794.19 8099.68,5799.73 J20.B4@8099.68,5836.84 ; J20.B8@8179.53,5831.22 8181.03,5829.72 8181.03,5812.05 8182.71,5810.37 8182.71,5807.08 8189.75,5800.04 8200.01,5800.04 8207.56,5792.5 8207.56,5781.54 8210.56,5778.54 8210.56,5760.87 8212.24,5759.19 8212.24,5755.9 8218.1,5750.04 8224.96,5750.04 8235,5740 ; U10.24@8210.5,5064.23 8221.5,5064.23 8322.27,5165 C64.2@8420,5165 8420,5217.4 8435,5232.4 v2(8435,5235) ; R84.2@8510,4825 8507.13,4822.13 D14.2@8507.13,4715 v2(8560,4715)
  Top Layer w27.56: R83.2@8684.35,4229.35 R83.2@8685,4228.7
  other v1: 8645,4635 8645,4695 8645,4745 8645,4795 8720,5205 8720,5260 8720,5315
NetC63_2: C63.2 R85.2 | length 374.2
  Top Layer w10: C63.2@8905,3830.94 8980.57,3830.94 9120.1,3970.47 9165.24,3970.47 9181.3,3986.54 R85.2@9181.3,4020
NetC65_2: C65.2 D14.1 R84.1 R88.2 | length 371.1
  Top Layer w10: R84.1@8448.89,4825 8448.89,4817.05 8422.87,4791.03 D14.1@8422.87,4715 8429.17,4715 8470,4674.17 R88.2@8470,4615 8465,4610 C65.2@8465,4490
NetC66_2: C66.2 U10.23 | length 215.9
  Top Layer w10: U10.23@8210.5,5044.53 8302.23,5044.53 8317.69,5060 C66.2@8420,5060
NetC67_2: C67.2 U10.21 | length 235.3
  Top Layer w10: U10.21@8210.5,5005.15 8287.39,5005.15 8337.54,4955 C67.2@8425,4955
NetD1_2: D1.2 R1.1 | length 2053.3
  Top Layer w10: D1.2@2035,5092.17 2035,4955 2470,4520 3439.45,4520 3671.06,4288.39 R1.1@3675,4288.39
NetD2_2: D2.2 R3.2 | length 3409.7
  Top Layer w10: D2.2@2875,5627.17 2877.83,5630 v2(2950,5630) ; R3.2@4135,3115.18 4135.18,3115 v2(4270,3115)
  Bottom Layer w10: v2(2950,5630) 4435,4145 4435,3280 v2(4270,3115)
NetD3_1: D3.1 R13.2 | length 101.2
  Top Layer w10: R13.2@1825,5404.8 1827.8,5402.01 D3.1@1925,5402.01
NetD5_2: D5.2 Q6.1 R25.1 R29.2 | length 444.7
  Top Layer w10: D5.2@2419.06,4890 2419.06,5095.64 R25.1@2425,5101.58 2512.9,5101.58 R29.2@2525,5089.49 2647.23,5089.49 2649.41,5091.67 Q6.1@2649.41,5092
NetD6_2: D6.2 Q2.4 R26.1 R31.2 | length 2851.6
  Top Layer w10: Q2.4@2175,5631.89 2175,5400 R26.1@2170,5395 2175.94,5400.94 D6.2@2285,5400.94 2285.94,5400 v2(2345,5400) ; R31.2@3790.08,3740 v2(3865,3740)
  Bottom Layer w10: v2(2345,5400) 2467.06,5277.94 2507.06,5277.94 3175.13,4609.87 3175.13,4349.87 3785,3740 v2(3865,3740)
NetD7_2: D7.2 Q6.3 R24.1 R27.1 R32.2 R33.2 | length 2588.1
  Top Layer w10: R24.1@2583.42,5390 2665,5390 R27.1@2670,5395 2670,5284.06 D7.2@2655.94,5270 ; Q6.3@2675,5168 2675,5183.6 2655.94,5202.65 D7.2@2655.94,5270 ; v2(2720,5270) D7.2@2655.94,5270 ; R33.2@3910,3850.51 4019.57,3850.51 R32.2@4040,3830.08 v2(4040,3910)
  Bottom Layer w10: v2(2720,5270) 2850.9,5139.1 2969.52,5139.1 4040,4068.63 v2(4040,3910)
NetD8_2: D8.2 R29.1 | length 494.4
  Top Layer w19.68: R29.1@2525,5150.51 2584.49,5150.51 v3(2585,5150) ; D8.2@2542.01,4780 v3(2600,4780)
  Bottom Layer w19.68: v3(2585,5150) 2585,4795 v3(2600,4780)
NetD9_1: D9.1 R33.1 | length 198.4
  Top Layer w10: D9.1@3817.83,3635 3827.68,3635 3910,3717.32 R33.1@3910,3789.49
NetD11_1: D11.1 U6.12 | length 321.6
  Top Layer w10: U6.12@5915.6,5285.97 5905.51,5285.97 5905,5285.46 5905,5006.25 5920.29,4990.97 D11.1@5920.29,4980.97
NetD12_1: D12.1 U6.3 | length 1314.8
  Top Layer w10: U6.3@6053.4,5325.34 6080.34,5325.34 v2(6110,5355)
  Bottom Layer w10: v2(6110,5355) 6110,5505 6595,5990 D12.1@7005,5990
NetD12_2: D12.2 R66.2 | length 225.2
  Top Layer w10: D12.2@7105,5970 7105,5745.51 R66.2@7105.51,5745
NetD13_1: D13.1 U6.5 | length 1629.9
  Top Layer w10: U6.5@6014.03,5384.4 6014.03,5419.28 6025,5430.25 v2(6025,5435)
  Bottom Layer w10: v2(6025,5435) 6025.35,5435.35 6025.35,5455.35 6590,6020 7139.13,6020 7165.13,5994 7301,5994 D13.1@7325,5970
NetD13_2: D13.2 R70.2 | length 277.5
  Top Layer w10: R70.2@7334.49,5730 7334.49,5879.49 D13.2@7425,5970
NetE1_1: E1.1 L7.2 | length 80.2
  Top Layer w10: L7.2@9125,952.4 9125,1025.57 E1.1@9130,1030.57
NetJ15_3: J15.3 U4.26 | length 1362
  Top Layer w10: U4.26@7449.81,1009.76 7474.76,1009.76 7485,1020 v2(7575,1020)
  Bottom Layer w10: v2(7575,1020) 7935.89,1380.89 7935.89,1390.89 8293.43,1748.43 J15.3@8500,1748.43
NetJ15_4: J15.4 U4.25 | length 1404.4
  Top Layer w10: U4.25@7449.81,994.02 7450.3,994.51 7509.51,994.51 v2(7510,995)
  Bottom Layer w10: v2(7510,995) 7542.68,1027.68 7542.68,1029.25 7555.75,1042.32 7557.32,1042.32 8361.85,1846.85 J15.4@8500,1846.85
NetJ20_A5: J20.A5 U10.1 U10.2 U11.2 | length 790.2
  Top Layer w10: U11.2@8164.53,5353.97 8168.5,5350 v2(8215,5350) ; U11.2@8164.53,5359.97 U10.2@8164.53,5090.5 U10.1@8184.23,5090.5 ; J20.A5@8189.37,5780.04 8189.37,5746.69 8225,5711.06 v2(8225,5650)
  GND w10: v2(8215,5350) 8215,5635.25 8225,5645.25 v2(8225,5650)
NetJ20_B5: J20.B5 U10.4 U10.5 U11.1 | length 939.6
  Top Layer w10: v2(8020,5350) 8081.5,5350 U11.1@8087.5,5356 ; U11.1@8087.5,5362 U11.1@8087.5,5356 ; J20.B5@8121.97,5829.72 8121.97,5812.05 8123.66,5810.37 8123.66,5807.08 8130.25,5800.49 8140.58,5800.49 8149.55,5791.52 8149.55,5744.08 8164.85,5728.78 8164.85,5720.5 8163.36,5719.01 8163.36,5698.36 v2(8160,5695) ; U10.4@8125.16,5090.5 U10.5@8105.47,5090.5 8105.47,5212.77 8087.5,5230.73 U11.1@8087.5,5356
  GND w10: v2(8020,5350) 8168.95,5498.95 8168.95,5590.12 8160,5599.08 v2(8160,5695)
NetL1_1: L1.1 U2.9 | length 236.9
  Top Layer w10: U2.9@4971.57,3781.65 4993.02,3781.65 5010.15,3798.78 5185.55,3798.78 L1.1@5196.73,3787.6
NetL1_2: L1.2 R16.1 R19.2 U2.8 U2.10 | length 915.4
  Top Layer w10: U2.8@4966.73,3761.97 5012.22,3761.97 5025.25,3775 v2(5030,3775) ; U2.10@4971.57,3801.42 4995.42,3825.26 4995.42,3830.42 5064.87,3899.87 L1.2@5196.73,3899.87 5200.31,3896.3 R19.2@5441.73,3896.3 5443.03,3897.6 R16.1@5685.39,3897.6
  Bottom Layer w10: v2(5025,3860) 5027.5,3857.5 5027.5,3777.5 v2(5030,3775)
NetL2_1: L2.1 U4.47 | length 520.4
  Top Layer w10: L2.1@6960,1590 6960,1543.87 7264.04,1239.83 U4.47@7264.04,1195.54